# Altium PCB V1Copy of 2 Layers.PcbDoc (part 2 of 2)
Units mm, origin at the board's own origin, x right, y up, seen from the top; angles counter-clockwise.
Board outline 88.4 x 35.06 mm, 4 copper layers (Top Layer 1, Signal 1, Signal 2, Bottom Layer 1), stack 1.782 mm thick; 91 components, 63 nets, 397 pads, 122 vias.
Unrouted connection lines stored in the file: 17.
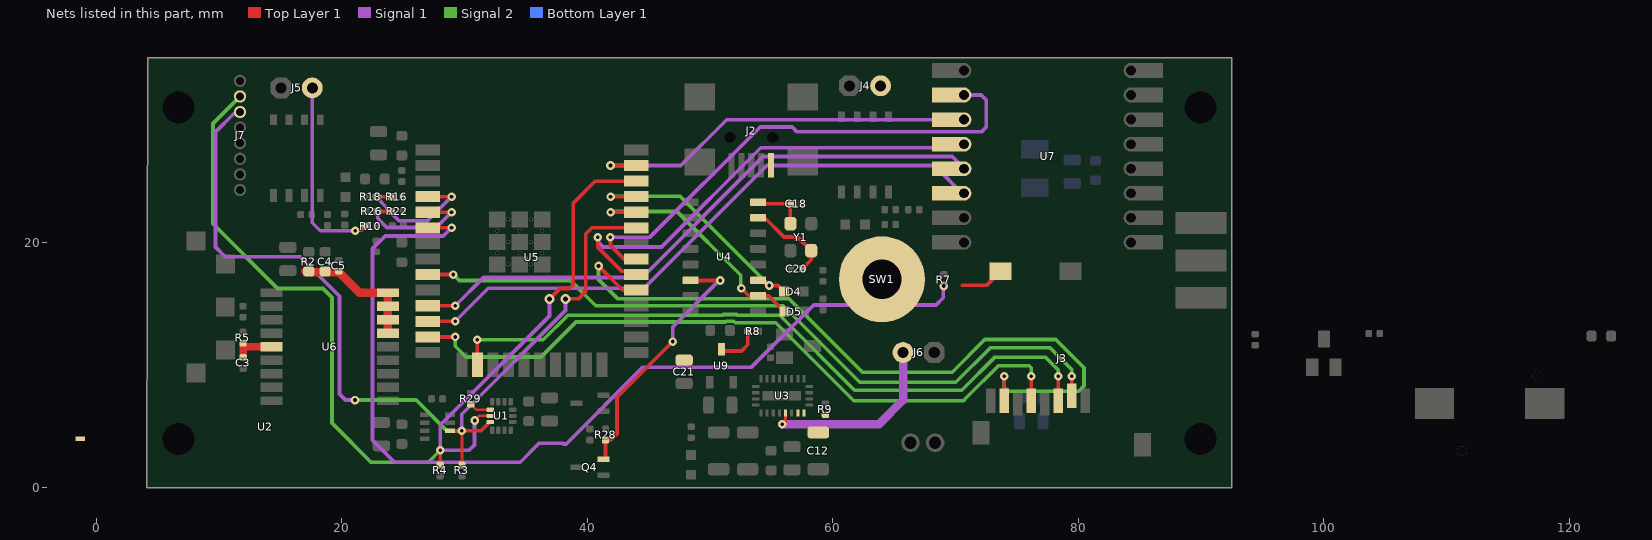
[diagram p4: the nets of this part, all layers, seen from the top]

## Via types
v1: diameter 0.7, hole 0.3, Top Layer 1 to Bottom Layer 1, tented both sides, 109 vias
v2: diameter 0.55, hole 0.3, Top Layer 1 to Bottom Layer 1, tented both sides, 5 vias
v3: diameter 0.7, hole 0.3, Top Layer 1 to Bottom Layer 1, 4 vias
v4: diameter 1.5, hole 1.5, Top Layer 1 to Bottom Layer 1, tented both sides, 2 vias
v5: diameter 0.8, hole 0.4, Top Layer 1 to Bottom Layer 1, tented both sides, 2 vias

## Nets (pads, with @x,y where several pads share a name; then routed paths per layer and width w, separated by ;. In a path a pad name is that pad's centre, name@x,y a point inside that pad or via, vN(x,y) a via of type N, cw(c..) or ccw(c..) an arc to the next point about the centre after c; other vN are vias at no path point) (continued)
NetR29_2: R29.2 U1.12 | length 1.8
  Top Layer 1 w0.2: R29.2@30.487,6.81 30.492,6.81 30.687,6.614 30.687,6.61 30.931,6.365 U1.12@32.09,6.365
RFM_CLK: U5.30 U7.4 U7.4_1 | length 38.8
  Top Layer 1 w0.3: v1(40.86,20.437) 40.86,19.592 42.785,17.667 43.703,17.667 U5.30@43.987,17.383
  Signal 1 w0.3: v1(40.86,20.437) 40.913,20.384 40.913,19.987 41.275,19.626 46.042,19.626 54.124,27.708 69.733,27.708 70,27.975 70.666,27.975 U7.4_1@70.7,28.009
RFM_MISO: U5.31 U7.2 U7.2_1 | length 42.1
  Top Layer 1 w0.3: v1@41.883,20.437 41.883,19.747 42.977,18.653 U5.31@43.987,18.653
  Signal 1 w0.3: v1(41.877,20.437) 45.114,20.437 54.085,29.408 56.692,29.408 57.091,29.009 72.109,29.009 72.5,29.4 72.5,31.6 72.091,32.009 U7.2_1@70.7,32.009
RFM_MOSI: U5.37 U7.3 U7.3_1 | length 32.5
  Top Layer 1 w0.3: v1@41.877,26.266 v1(41.883,26.273) U5.37@43.987,26.273
  Signal 1 w0.3: v1(41.883,26.273) 47.614,26.273 51.351,30.009 U7.3_1@70.7,30.009
RFM_NSS: U5.11 U7.5 U7.5_1 | length 49.2
  Top Layer 1 w0.3: U5.11@26.987,14.843 v1(29.23,14.843)
  Signal 1 w0.3: v1(29.23,14.843) 31.532,17.145 44.466,17.145 54.321,27 69.733,27 70.7,26.033 U7.5_1@70.7,26.009
RFM_RESET: U5.12 U7.6 U7.6_1 | length 49.8
  Top Layer 1 w0.3: U5.12@26.987,13.573 v1(29.23,13.573)
  Signal 1 w0.3: v1(29.23,13.573) 31.93,16.273 44.613,16.273 54.613,26.273 68.282,26.273 U7.6_1@70.577,23.977
RST: Q4.2 R28.1 U4.14 | length 21.3
  Top Layer 1 w0.3: Q4.2@41.31,2.337 41.405,2.337 41.48,2.412 R28.1@41.48,3.897 41.891,3.897 42.418,4.424 42.418,7.39 v1@46.951,11.924 ; U4.14@48.419,16.931 48.45,16.9 v1(50.828,16.9)
  Signal 1 w0.3: v1(46.951,11.924) 46.951,13.114 50.737,16.9 v1(50.828,16.9)
RX: D4.2 U4.3 U5.35 | length 20.2
  Top Layer 1 w0.3: v1(41.894,23.733) U5.35@43.987,23.733 ; U4.3@54.264,16.931 54.699,16.496 v1(54.824,16.496) 55.526,16.496 D4.2@56.02,16.002
  Signal 2 w0.3: v1(41.894,23.733) 41.923,23.762 47.558,23.762 v1(54.824,16.496)
SCL: J7.2 R4.1 U1.13 U2.4 U5.36 | length 82.8
  Top Layer 1 w0.2: v3@30.813,5.487 v3(30.813,5.491) 30.813,5.496 31.182,5.865 U1.13@32.09,5.865
  Top Layer 1 w0.3: R4.1@28,1.871 28.018,1.889 v1(28.018,3.064) ; v5(36.915,15.402) 37.769,16.256 38.517,16.256 38.862,16.601 38.862,23.222 40.619,24.979 43.964,24.979 U5.36@43.987,25.003
  Signal 1 w0.3: v3(30.813,5.491) 30.8,5.479 30.8,3.5 30.364,3.064 v1(28.018,3.064) 28.018,5.118 36.915,14.015 v5@36.915,15.359
  Signal 2 w0.3: J7.2@11.7,31.9 9.5,29.7 9.5,21.517 14.761,16.256 18.459,16.256 19.196,15.519 19.196,5.28 22.376,2.1 27.054,2.1 v1(28.018,3.064)
SD_CS: J3.2 U5.9 | length 60.2
  Top Layer 1 w0.3: U5.9@26.987,17.383 v3(29.083,17.383) ; J3.2@79.465,7.506 v1(79.465,9.102)
  Signal 2 w0.3: v3(29.083,17.383) 29.566,16.9 38.63,16.9 40.687,14.843 55.962,14.843 55.966,14.839 62.2,8.605 70.028,8.605 ; 70.028,8.607 72.83,11.408 77.715,11.408 79.465,9.658 v1(79.465,9.102)
SD_IN: J3.9 R7.2 U5.6 | length 82.2
  Top Layer 1 w0.3: U5.6@26.987,21.193 v1(28.937,21.193) ; v1(69.053,16.451) R7.2@69.103,16.5 ; 70.568,16.502 72.521,16.502 J3.9@73.675,17.656
  Signal 1 w0.3: v1(28.937,21.193) 28.269,20.524 23.524,20.524 22.5,19.5 22.5,3.877 24.277,2.1 34.523,2.1 36.073,3.65 37.971,3.65 38.036,3.585 38.285,3.585 44.543,9.843 53.382,9.843 58.447,14.908 68.415,14.908 69.007,15.5 69.007,16.404 v1(69.053,16.451)
SD_MISO: J3.7 U5.29 | length 60.9
  Top Layer 1 w0.3: v3(40.915,18.085) 42.887,16.113 U5.29@43.987,16.113 ; J3.7@73.965,7.106 v1(73.965,9.102)
  Signal 2 w0.3: v3(40.915,18.085) 40.915,16.985 42.498,15.402 56.452,15.402 62.422,9.433 69.728,9.433 ; 69.728,9.435 72.388,12.095 78.161,12.095 80.465,9.791 80.465,8.302 80.036,7.873 74.265,7.873 73.965,8.173 v1(73.965,9.102)
SD_MOSI: J3.3 U5.16 | length 56.7
  Top Layer 1 w0.3: U5.16@31.042,10.032 31.042,11.865 v1@31.115,11.938 ; J3.3@78.365,7.106 v1(78.365,9.102)
  Signal 2 w0.3: v1(31.042,12.065) 36.414,12.065 38.417,14.069 51.019,14.069 51.078,14.127 52.154,14.127 52.213,14.069 55.669,14.069 61.777,7.96 70.514,7.96 73.213,10.659 77.315,10.659 78.365,9.609 v1(78.365,9.102)
SD_SCK: J3.5 U5.13 | length 58.1
  Top Layer 1 w0.3: U5.13@26.987,12.303 v1(29.23,12.303) ; J3.5@76.165,7.106 v1(76.165,9.102)
  Signal 2 w0.3: v1(29.23,12.303) 29.23,11.537 30.099,10.668 36.23,10.668 39.078,13.516 51.245,13.516 51.305,13.577 51.927,13.577 52.044,13.46 55.354,13.46 61.71,7.104 70.649,7.104 70.651,7.106 70.924,7.379 73.503,9.958 75.989,9.958 76.165,9.782 v1(76.165,9.102)
SDA: J7.3 R3.1 U1.14 U2.3 U5.33 | length 74.6
  Top Layer 1 w0.25: v1(29.772,4.647) 29.772,3.282 29.783,3.271 R3.1@29.783,1.872
  Top Layer 1 w0.3: U2.3@28.8,4.665 28.819,4.647 v1(29.772,4.647) 31.324,4.647 31.968,5.29 32.015,5.29 U1.14@32.09,5.365 ; v5(38.227,15.402) 39.278,15.402 39.878,16.002 39.878,20.687 40.383,21.193 U5.33@43.987,21.193
  Signal 1 w0.3: J7.3@11.7,30.63 11.566,30.496 11.196,30.496 9.7,29 9.7,19.637 10.499,18.838 16.587,18.838 19.8,15.626 19.8,7.654 20.295,7.16 v1(21.069,7.16) ; v1(29.772,4.647) 29.772,6.007 38.227,14.462 v5(38.227,15.402)
  Signal 2 w0.3: v1(21.069,7.16) 26.052,7.16 28.565,4.647 v1@29.882,4.647
SENSE1: R22.1 R26.2 U5.5 | length 10.6
  Top Layer 1 w0.3: R26.2@22.865,22.524 v1(22.915,22.524) R22.1@24.066,22.524 ; U5.5@26.987,22.463 v1(28.937,22.463)
  Signal 1 w0.3: v1(22.915,22.524) 22.915,21.964 23.655,21.224 27.699,21.224 v1(28.937,22.463)
  Bottom Layer 1 w0.3: v1@28.906,22.493 v1(28.937,22.463)
SENSE2: R16.1 R18.2 U5.4 | length 11
  Top Layer 1 w0.3: R18.2@22.809,23.716 v1(22.859,23.716) R16.1@24.03,23.716 ; U5.4@26.987,23.733 v1(28.937,23.733)
  Signal 1 w0.3: v1(22.859,23.716) 22.859,23.641 23.665,22.835 23.665,22.765 24.656,21.774 26.979,21.774 v1(28.937,23.733)
  Bottom Layer 1 w0.3: v1@28.929,23.724 v1(28.937,23.733)
TX: D5.2 U4.2 U5.34 | length 20.2
  Top Layer 1 w0.3: v1(41.894,22.463) U5.34@43.987,22.463 ; v1(52.556,16.269) 52.556,16.263 53.158,15.661 U4.2@53.919,15.661 54.754,15.661 D5.2@56.049,14.367
  Signal 2 w0.3: v1(41.894,22.463) 41.951,22.52 47.305,22.52 52.495,17.33 52.495,16.33 v1(52.556,16.269)
VBat: C12.2 J4.2 J5.2 J6.2 R9.2 R10.2 SW1.1 U3.17 U3.19 U3.20 | length 31.4
  Top Layer 1 w0.25: v1(55.871,5.195) 55.958,5.281 56.135,5.281 56.149,5.295 U3.17@56.149,6.104
  Top Layer 1 w0.3: v1(21.1,20.96) 21.124,20.984 21.55,20.984 21.752,21.186 21.777,21.186 21.902,21.311 R10.2@21.902,21.336
  Signal 1 w0.3: J5.2@17.587,32.596 17.587,21.6 18.227,20.96 v1(21.1,20.96)
  Signal 1 w0.7: v1(55.871,5.195) 63.768,5.195 65.727,7.154 J6.2@65.727,11.035
VCC_GPS: C4.2 C5.2 R2.2 U6.6 U6.7 U6.8 U6.9 | length 10.7
  Top Layer 1 w0.7: R2.2@17.029,17.641 17.094,17.576 19.756,17.576 21.432,15.9 U6.9@23.75,15.9 U6.8@23.75,14.8 U6.7@23.75,13.7 U6.6@23.75,12.6
VCC_RF: C3.2 R5.1 U6.14 | length 3.2
  Top Layer 1 w0.6: R5.1@11.94,11.8 11.954,11.786 C3.2@11.954,10.632 ; 12.24,11.5 U6.14@14.25,11.5
VUSB: C21.2 J2.1 R8.2 U9.3 | length 3.5
  Top Layer 1 w0.3: U9.3@50.928,11.308 51.083,11.154 52.559,11.154 53.074,11.669 R8.2@53.074,12.766
X1: C20.2 U4.7 Y1.3 | length 7.2
  Top Layer 1 w0.3: U4.7@53.919,22.011 54.456,22.011 56.02,20.447 57.132,20.447 Y1.3@58.243,19.336 58.243,18.589 C20.2@57.522,17.868
X2: C18.2 U4.8 Y1.1 | length 4.3
  Top Layer 1 w0.3: U4.8@53.919,23.281 54.043,23.157 C18.2@56.574,23.157 56.543,23.126 Y1.1@56.543,21.536
pads on no net: J2.4 J2.MH J3.1 J3.8 LS. U1.2 U1.3 U1.4 U1.9 U1.10 U1.11 U3.4 U3.5 U3.6 U3.7 U3.8 U3.9 U4.9 U4.10 U4.11 U4.12 U4.15 U5.14 U5.17 U5.18 U5.19 U5.20 U5.21 U5.22 U5.32 U6.4 U6.5 U6.13 U6.15 U6.16 U6.17 U6.18 U7.11 U7.11_1 U7.12 U7.12_1 U7.16 U7.16_1
copper on no net: | length 24
  Top Layer 1 w0.3: v1@11.7,22.327 11.7,21.827 13.027,20.5 18.674,20.5 19.937,19.237 v1@21.114,19.237
  Signal 1 w0.3: v1(11.7,22.403) 13.082,22.403 13.749,23.07 13.749,28.451 12.84,29.36 11.7,29.36
  Signal 2 w0.3: v1(20.95,19.187) 21.03,19.187 22.117,18.1 v1(23.4,18.1)
  other v4: 5.595,9.887 5.595,19.587

## Polygon pours and split planes (outlines as drawn)
GND on Top Layer 1 "full" (solid, remove dead copper, shelved, pour order 27): 4.2,0 4.2,35.062 92.5,35.062 92.5,0
3.3V on Top Layer 1 "full" (solid, remove dead copper, shelved, pour order 17): 24.4,6.024 29.65,6.024 29.65,5.074 31.5,5.074 31.5,4.519 24.4,4.519
VBat on Top Layer 1 "full" (solid, remove dead copper, shelved, pour order 4): 60.317,6.511 56.049,6.511 56.049,3.879 62.675,3.879 62.675,9.984 62.627,10.011 65.1,10.011 65.126,12.766 67.7,12.766 67.7,20.509 61.2,20.509 60.317,19.626
GND on Top Layer 1 "NONET_L01_P026" (solid, remove dead copper, shelved, pour order 26): 4.027,21.437 4.051,21.451 13.629,21.451 13.629,6.91 3.994,6.907 3.994,21.404
3.3V on Top Layer 1 "full" (solid, remove dead copper, shelved, pour order 0): 51.181,9.271 52.616,9.271 52.616,7.935 54.149,7.935 54.149,6.542 55.754,6.542 55.754,2.425 54.138,2.425 54.138,3.672 54.149,3.683 49.657,3.683 49.657,5.407 50.928,5.407 50.928,9.018
GND on Top Layer 1 "full" (solid, remove dead copper, shelved, pour order 19): 17.3,24.6 13.7,24.6 13.7,20.687 17.3,20.687 17.3,22.672
GND on Top Layer 1 "full" (solid, remove dead copper, shelved, pour order 7): 63.1,2.3 66.684,2.3 66.684,5.407 68.7,5.407 68.7,0 63.167,0 48,0 48,2.3 60.4,2.3 60.362,2.425 60.487,2.3
VUSB on Top Layer 1 "full" (solid, remove dead copper, shelved, pour order 1): 47.279,13.909 48.68,12.508 48.797,12.508 51.533,12.508 51.959,12.082 51.959,10.287 45.635,10.287 45.635,30.587 56.446,30.587 56.446,25.527 54.733,25.527 53.724,26.536 53.724,29.4 47.279,29.4
no net on Top Layer 1 "NONET_L01_P010" (solid, remove dead copper, shelved, pour order 10): 56.286,27.608 56.3,27.622 56.3,30.7 47.9,30.7
NetJ4_1 on Top Layer 1 "full" (solid, remove dead copper, shelved, pour order 11): 60,34.2 60,25.4 65.277,25.4 65.377,25.3 65.377,30.96 62.524,30.96 62.524,34.166 60.097,34.166
3.3V on Top Layer 1 "full" (solid, remove dead copper, shelved, pour order 12): 86.9,28.7 76,28.7 76,26.219 76.038,26.181 76.123,26.266 82.866,26.266 83.8,27.2 86.9,27.2
GND on Top Layer 1 "full" (solid, remove dead copper, shelved, pour order 20): 63.839,25.3 63.839,23.042 64.536,23.042 64.536,20.863 57.132,20.863 57.132,23.732 56.604,23.733 56.574,23.762 56.574,30.96 43.737,30.96 43.7,30.997 43.7,34.8 59.5,34.8 59.518,34.782 59.518,25.3
NetJ5_1 on Top Layer 1 "full" (solid, remove dead copper, shelved, pour order 21): 13.7,34.1 13.679,34.079 13.679,25.169 18.549,25.169 18.639,25.259 18.639,30.5 16.165,30.5 16.165,33.996 13.799,33.996
3.3V on Top Layer 1 "full" (solid, remove dead copper, shelved, pour order 15): 27.953,26.689 27.942,26.7 25.5,26.7 25.5,27.721 21.965,27.721 21.965,29.265 22,29.3 18.979,29.3 18.979,25.963 19.116,25.825 27.953,25.825
GND on Top Layer 1 "full" (solid, remove dead copper, shelved, pour order 18): 19.687,25.75 19.737,25.7 22.4,25.7 22.4,22.1 20.825,22.1 20.825,24.4 19.7,24.4 19.7,25.687 19.687,25.7
GND on Top Layer 1 "full" (solid, remove dead copper, shelved, pour order 16): 56.4,9.479 56.446,9.525 58.556,9.525 58.556,8.048 56.249,8.048 56.249,10.924
GND on Top Layer 1 "full" (solid, remove dead copper, shelved, pour order 9): 38.569,7.644 38.569,5.487 42.134,5.487 42.151,5.504 42.091,5.565 42.091,7.644
3.3V on Top Layer 1 "full" (solid, remove dead copper, shelved, pour order 8): 38.517,5.08 42.235,5.08 42.234,2.566 38.517,2.566 38.517,5.048 38.569,5.101
GND on Top Layer 1 "full" (solid, remove dead copper, shelved, pour order 6): 46.991,9.609 50.495,9.609 50.495,5.751 46.991,5.751
NetJ6_1 on Top Layer 1 "FULL" (solid, remove dead copper, shelved, pour order 2): 66.377,2.881 63.975,2.881 63.975,9.7 65.532,9.7 65.532,12.383 68.132,12.382 68.132,8.116 66.377,8.116
GND on Signal 2 "full" (solid, remove dead copper, shelved, pour order 29): 4.2,35.062 4.2,0 92.5,0 92.5,35.062
3.3V on Signal 2 "full" (solid, remove dead copper, shelved, pour order 14): 18.4,29.3 13.829,29.3 13.829,33.871 13.704,33.996 11.027,33.996 11.027,32.596 12.5,32.596 12.5,28.2 18.4,28.2 18.4,20.5 16.451,20.5 16.451,18 18.4,18 18.4,0.4 84.6,0.4 84.8,0.2 84.8,28.6 75.945,28.6 75.945,26.181 82.301,26.181 82.386,26.266 82.4,26.252 82.4,2.8 76.3,2.8 76.3,6.05 75,6.05 75,2.6 65.03,2.6 65.03,5.207 55.506,5.207 55.506,6.542 52.769,6.542 52.728,6.584 52.728,8.904 50.928,8.904 50.928,5.407 38.517,5.407 37.874,6.05 20.7,6.05 20.7,26.793 22,26.793 22,29.3
VBat on Signal 2 "full" (solid, remove dead copper, shelved, pour order 5): 63.189,19.456 66.413,19.456 66.413,14.444 66.457,14.4 63.189,14.4 63.189,9.7 63.1,9.7 63.168,9.633 65.532,9.633 65.532,12.383 65.619,12.295 69.053,12.295 69.053,34.97 68.961,35.062 63.627,35.062 63.627,31.427 63.5,31.3 45.3,31.3 45.3,28.2 25.5,28.2 25.5,35 16.4,35 16.4,31.249 16.451,31.3 22.4,31.3 22.4,25.7 22.5,25.8 63.189,25.8
GND on Bottom Layer 1 "full" (solid, remove dead copper, shelved, pour order 22): 4.2,35.062 4.2,0 92.5,0 92.5,35.062
NetJ6_1 on Bottom Layer 1 "full" (solid, remove dead copper, shelved, pour order 3): 60,20.688 68.961,20.688 68.961,9.525 69.053,9.433 65.532,9.433 65.532,12.446 65.278,12.7 60,12.7
GND on Signal 1 "full" (solid, remove dead copper, shelved, pour order 28): 4.2,35.062 4.2,0 92.5,0 92.5,35.062

## Keep-outs
Keep-Out Layer:
  text "'.Layer_Name'" at 300.5,-183.388 h1.5

## Other copper
Top Layer 1:
  text "'.ProjectRevisionART'" at 335.678,-183.21 h1.5
  text "'.Layer_Name'" at 300.5,-183.388 h1.5
Bottom Layer 1:
  text "04-'.ProjectPCBNumber'-R'.ProjectRevisionART'" at 242,-133.138 h1.2
  text ".ProjectRevisionART" at 335.678,-183.21 h1.5
  text ".ProjectRevisionART" at 335.678,-183.21 h1.5
  text "'.ProjectRevisionART'" at 335.678,-183.21 h1.5
  text "'.Layer_Name'" at 300.5,-183.388 h1.5

## Silkscreen, mask and mechanical layers (free items; w line width, h text height)
Top Overlay:
  region: 289.8,-146.738 289.8,-144.738 291.8,-145.738
  lines w0.254: 5.589,27.632 8.702,27.632 11.633,30.563 ; 5.656,23.889 8.767,23.889 11.698,26.82 ; 5.656,25.159 8.767,25.159 11.698,28.09 ; 5.656,26.429 8.767,26.429 11.698,29.36 ; 5.692,22.493 9.779,22.493 11.566,24.28 11.698,24.28 ; 5.7,32.9 5.709,32.909 9.338,32.909 10.346,31.9 11.7,31.9 ; 5.709,34.048 9.476,34.048 10.354,33.17 11.7,33.17
  text "3.3V" at 5.692,34.208 h1
  text "SCL" at 5.656,33.108 h1
  text "SDA" at 5.589,27.812 h1
  text "Piezo" at 5.595,26.631 h1
  text "GPS TX" at 5.589,25.328 h1
  text "Fire1" at 5.589,24.094 h1
  text "GND" at 5.589,22.806 h1
  text "C" at 259.5,-136.935 h8
  text "'.ProjectPartNumber'" at 231.5,-137.638 h1.2
  text "" at 252.5,-138.238 h8
  text "5" at 278.5,-138.832 h8
  text "7" at 288.5,-138.832 h8
  text "0" at 298.5,-138.832 h8
  text "1" at 308.5,-138.832 h8
  text "6" at 268.5,-138.865 h8
  text "2" at 318.5,-138.865 h8
  text "3" at 328.5,-138.865 h8
  text "4" at 338.58,-138.865 h8
  text "ICD" at 284.4,-146.638 h1.52
  text "M" at 262,-153.138 h10
  text "" at 315,-153.597 h10
  text "" at 294,-153.622 h10
  text "" at 305,-153.622 h10
  text "" at 324,-153.622 h10
  text "" at 335,-153.622 h10
  text "" at 346,-153.797 h10
  text "*h" at 227.7,-154.638 h7
  text "" at 286,-156.638 h10
  text "dsPICDEM.net™" at 185.75,-163.388 h3
  text "mTouch®" at 208,-163.388 h3
  text "chipKIT™" at 222.25,-163.388 h3
  text "dsPICDEM™" at 185.5,-169.138 h3
  text "MPLAB®" at 208,-169.638 h3
  text "dsPIC®" at 222.25,-169.638 h3
  text "PICDEM.net™" at 185.5,-175.388 h3
  text "PICkit™" at 208.25,-175.638 h3
  text "PIC®" at 222.25,-175.638 h3
  text "PICDEM™" at 185.5,-181.888 h3
  text "PICtail™" at 208.25,-181.888 h3
  text "'.ProjectRevisionART'" at 335.678,-183.21 h1.5
  text "'.Layer_Name'" at 300.5,-183.388 h1.5
Bottom Overlay:
  text "'.ProjectRevisionART'" at 335.678,-183.21 h1.5
  text "'.Layer_Name'" at 300.5,-183.388 h1.5
Top Paste:
  text "'.ProjectRevisionART'" at 335.678,-183.21 h1.5
  text "'.Layer_Name'" at 300.5,-183.388 h1.5
Bottom Paste:
  text "'.ProjectRevisionART'" at 335.678,-183.21 h1.5
  text "'.Layer_Name'" at 300.5,-183.388 h1.5
Top Solder:
  text "'.ProjectRevisionART'" at 335.678,-183.21 h1.5
  text "'.Layer_Name'" at 300.5,-183.388 h1.5
Bottom Solder:
  text "'.ProjectRevisionART'" at 335.678,-183.21 h1.5
  text "'.Layer_Name'" at 300.5,-183.388 h1.5
NOTES (M1):
  text "ASSEMBLY NOTES:" at 29.4,-133.738 h4
  text "1. ALL COMPONENTS SHALL BE RoHS COMPLIANT." at -4.7,-138.838 h3
  text "2. ALL UNUSED THROUGH HOLE COMPONENT LOCATIONS SHALL BE FREE OF SOLDER." at -4.7,-141.838 h3
  text "3. ALL COMPONENTS SHALL BE MOUNTED FLUSH TO THE BOARD, EXCEPT AS NOTED." at -4.7,-144.838 h3
  text "4. FINISHED BOARD SHALL BE FREE OF ALL RESIDUES." at -4.7,-147.838 h3
  text "5. ALL LEADS SHALL BE TRIMMED TO A MAXIMUM HEIGHT OF 2mm" at -4.7,-150.838 h3
  text "'.Layer_Name'" at 318.5,-183.388 h1.5
BOARD (M2):
  the board outline again, w0.1
  text "'.ProjectRevisionART'" at 335.678,-183.21 h1.5
  text "'.Layer_Name'" at 300.5,-183.388 h1.5
REF POINTS (M3):
  text "'.Layer_Name'" at 300.5,-183.388 h1.5
FAB (M4):
  drawing of 392 lines, arcs and shapes, not listed
  text "THIS PCB TO BE MANUFACTURED TO MEET ALL ACCEPTANCE LEVELS" at 236.989,27.024 h1.78
  text "OF A CLASS 2 PCB PER ANSI/IPC-A-600G." at 236.989,23.214 h1.78
  text "MATERIAL:" at 236.989,18.594 h1.78
  text "FR-4 or Equivalent" at 257.309,18.594 h1.78
  text "CONTROLLED IMPEDANCE" at 313.5,14.362 h1.78
  text "MULTILAYER" at 263.024,14.244 h1.78
  text "2" at 286.519,14.244 h1.78
  text "LAYERS" at 290.964,14.244 h1.78
  text "Cu WEIGHT EXTERNAL LAYERS" at 257.309,9.394 h1.78
  text "35um" at 309.379,9.394 h1.78
  text "FINISHED" at 318.904,9.394 h1.78
  text "Cu WEIGHT INTERNAL LAYERS" at 257.309,4.544 h1.78
  text "N/A" at 309.379,4.544 h1.78
  text "FINISHED" at 318.904,4.544 h1.78
  text "FINISHED OVERALL THICKNESS" at 257.309,-0.306 h1.78
  text "1.6" at 310.649,-0.306 h1.78
  text "mm" at 318.904,-0.306 h1.78
  text "10" at 333.509,-0.306 h1.78
  text "%" at 341.764,-0.306 h1.78
  text "COPPER THIEVING ALLOWED" at 257.5,-5.138 h1.78
  text "YES" at 314.5,-5.138 h1.78
  text "NO" at 331.5,-5.138 h1.78
  text "X" at 326.091,-5.638 h2.6
  text "FINISH:" at 237,-9.638 h1.78
  text "LEAD-FREE HOT AIR LEVELING" at 263,-9.938 h1.78
  text "X" at 258.4,-10.638 h2.6
  text "IMMERSION GOLD" at 263.024,-15.476 h1.78
  text "IMMERSION TIN" at 263.024,-20.976 h1.78
  text "SMOBC WITH SELECTIVE GOLD PLATING ON LANDS" at 263.024,-24.681 h1.78
  text "INDICATED. 1um GOLD OVER 5-10 um NICKEL" at 263.024,-28.491 h1.78
  text "SOLDERMASK" at 257.309,-33.826 h1.78
  text "DYNACHEM EPIC 200 LPI OR EQUIVALENT" at 278.899,-33.826 h1.78
  text "SOLDERMASK COLOR" at 257.309,-40.176 h1.78
  text "GREEN HIGH GLOSS" at 289.059,-40.176 h1.78
  text "SILKSCREEN COLOR" at 257.309,-46.526 h1.78
  text "WHITE" at 289.059,-46.526 h1.78
  text "Blind / Burried Vias" at 263.5,-52.638 h1.78
  text "DRILLING:" at 237.5,-52.888 h1.78
  text "Via Layer Pairs" at 258,-57.388 h1.78
  text "Top-Bottom" at 278.75,-57.388 h1.78
  text "ALL HOLES TO BE LOCATED BY THE COORDINATES FROM THE NC DRILL DATA PROVIDED." at 236.989,-62.638 h1.78
  text "05-'.ProjectPCBNumber'" at 269,-69.138 h1.78
  text "PCB REV" at 305,-69.138 h1.78
  text "USE ARTWORK SET NO." at 236.989,-69.226 h1.78
  text "'.ProjectRevisionART'" at 318.15,-69.388 h1.78
  text "ALL UL LOGO, MANUFACTURER'S ID, AND DATE CODES SHALL BE PLACED" at 236.989,-75.576 h1.78
  text "Layer" at 224.029,-78.613 h1.52
  text "Name" at 234.441,-78.613 h1.52
  text "Material" at 258.056,-78.613 h1.52
  text "Thickness" at 279.894,-78.613 h1.52
  text "Constant" at 296.4,-78.613 h1.52
  text "Gerber" at 310.875,-78.613 h1.52
  text "Board Layer Stack" at 322.81,-78.613 h1.52
  text "ON THE BOTTOM SIDE UNLESS OTHERWISE INDICATED." at 236.989,-79.386 h1.78
  text "Top Overlay" at 234.441,-81.661 h1.52
  text "GTO" at 310.875,-81.661 h1.52
  text "ANY ALTERNATIVES TO THE ABOVE SPECIFICATIONS MUST FIRST BE APPROVED." at 236.5,-84.638 h1.78
  text "Top Solder" at 234.441,-84.709 h1.52
  text "Solder Resist" at 258.056,-84.709 h1.52
  text "0,010mm" at 279.894,-84.709 h1.52
  text "3.5" at 296.4,-84.709 h1.52
  text "GTS" at 310.875,-84.709 h1.52
  text "1" at 224.029,-87.757 h1.52
  text "Top Layer 1" at 234.441,-87.757 h1.52
  text "CF-004" at 258.056,-87.757 h1.52
  text "0,035mm" at 279.894,-87.757 h1.52
  text "GTL" at 310.875,-87.757 h1.52
  text "Dielectric 1" at 234.441,-90.805 h1.52
  text "PP-006" at 258.056,-90.805 h1.52
  text "0,071mm" at 279.894,-90.805 h1.52
  text "4.1" at 296.4,-90.805 h1.52
  text "2" at 224.029,-93.853 h1.52
  text "Signal 1" at 234.441,-93.853 h1.52
  text "CF-004" at 258.056,-93.853 h1.52
  text "0,035mm" at 279.894,-93.853 h1.52
  text "G1" at 310.875,-93.853 h1.52
  text "Dielectric1" at 234.441,-96.901 h1.52
  text "FR-4" at 258.056,-96.901 h1.52
  text "1,500mm" at 279.894,-96.901 h1.52
  text "4.8" at 296.4,-96.901 h1.52
  text "3" at 224.029,-99.949 h1.52
  text "Signal 2" at 234.441,-99.949 h1.52
  text "CF-004" at 258.056,-99.949 h1.52
  text "0,035mm" at 279.894,-99.949 h1.52
  text "G2" at 310.875,-99.949 h1.52
  text "Dielectric 2" at 234.441,-102.997 h1.52
  text "PP-006" at 258.056,-102.997 h1.52
  text "0,071mm" at 279.894,-102.997 h1.52
  text "4.1" at 296.4,-102.997 h1.52
  text "4" at 224.029,-106.045 h1.52
  text "Bottom Layer 1" at 234.441,-106.045 h1.52
  text "CF-004" at 258.056,-106.045 h1.52
  text "0,035mm" at 279.894,-106.045 h1.52
  text "GBL" at 310.875,-106.045 h1.52
  text "Bottom Solder" at 234.441,-109.093 h1.52
  text "Solder Resist" at 258.056,-109.093 h1.52
  text "0,010mm" at 279.894,-109.093 h1.52
  text "3.5" at 296.4,-109.093 h1.52
  text "GBS" at 310.875,-109.093 h1.52
  text "Bottom Overlay" at 234.441,-112.141 h1.52
  text "GBO" at 310.875,-112.141 h1.52
  text "Total board thickness:" at 224.029,-115.189 h1.52
  text "1,802mm" at 279.894,-115.189 h1.52
  text "'.ProjectRevisionFAB'" at 335.678,-183.21 h1.5
  text "'.Layer_Name'" at 300.5,-183.388 h1.5
Case (M5):
  text "'.Layer_Name'" at 300.5,-183.388 h1.5
Cover (M6):
  text "'.Layer_Name'" at 300.5,-183.388 h1.5
Terminal Block (M7):
  text "'.Layer_Name'" at 300.5,-183.388 h1.5
Route Tool Path:
  text "'.Layer_Name'" at 300.5,-183.388 h1.5
V-Cut (M9):
  text "'.Layer_Name'" at 300.5,-183.388 h1.5
Bottom Assembly:
  text "'.VariantName'" at 50.07,-167.388 h0.9
  text "ASSEMBLY VARIANT:" at 64.32,-167.388 h0.9
  text "DOCUMENT NUMBER:" at 18.05,-175.638 h1.14
  text "02-'.ProjectPCBAssyNumber'-D" at 17.8,-178.638 h1.6
  text "'.ProjectRevisionASSY'" at 1.122,-183.21 h1.5
  text "'.Layer_Name'" at 36,-183.388 h1
Top Assembly:
  text "6. PLACE LABEL  ON THE LOCATION INDICATED." at -4.7,-153.838 h3
  text "7." at -4.7,-156.838 h3
  text "ASSEMBLY VARIANT:" at 272.5,-167.388 h0.9
  text "'.VariantName'" at 286.75,-167.388 h0.9
  text "DOCUMENT NUMBER:" at 318.75,-175.638 h1.15
  text "02-'.ProjectPCBAssyNumber'-D" at 319,-178.638 h1.6
  text "'.ProjectRevisionASSY'" at 335.678,-183.21 h1.5
  text "'.Layer_Name'" at 300.5,-183.388 h1
Bottom 3D Body:
  text "'.Layer_Name'" at 300.5,-183.388 h1.15
Top 3D Body:
  text "'.Layer_Name'" at 300.5,-183.388 h1.2
Bottom Courtyard:
  text ".ProjectRevisionART" at 335.678,-183.21 h1.5
  text "'.Layer_Name'" at 300.5,-183.388 h1
Top Courtyard:
  text "'.ProjectRevisionART'" at 335.678,-183.21 h1.5
  text "'.Layer_Name'" at 300.5,-183.388 h1.1
TITLE (M16):
  lines w0.1: 272,-166.138 353.82,-166.138 ; 324,-158.638 324,-161.638 353.82,-161.638 ; 342.54,-183.273 342.54,-182.003 ; 342.54,-182.638 352.7,-182.638 ; 342.7,-181.438 342.7,-180.438 ; 342.7,-180.938 352.7,-180.938 ; 345.08,-183.273 345.08,-182.003 ; 347.62,-183.273 347.62,-182.003 ; 347.7,-181.238 347.7,-180.638 ; 350.16,-183.273 350.16,-182.003 ; 352.7,-183.273 352.7,-182.003 ; 352.7,-181.438 352.7,-180.438 ; 353.82,-161.638 353.82,-161.638
  lines w0.127: -22.1,-128.813 -17.02,-128.813 ; -22.1,-68.488 -17.02,-68.488 ; -22.1,-8.163 -17.02,-8.163 ; 41.4,-189.138 41.4,-184.058 ; 41.4,47.082 41.4,52.162 ; 104.9,-189.138 104.9,-184.058 ; 104.9,47.082 104.9,52.162 ; 168.4,-189.138 168.4,-184.058 ; 168.4,47.082 168.4,52.162 ; 203.96,-184.058 239.52,-184.058 ; 231.9,-189.138 231.9,-184.058 ; 231.9,47.082 231.9,52.162 ; 272,-184.058 272,-158.638 ; 272,-179.638 353.82,-179.638 ; 272,-173.638 353.82,-173.638 ; 272,-167.638 353.82,-167.638 ; 295.4,-189.138 295.4,-184.058 ; 295.4,47.082 295.4,52.162 ; 300,-184.058 300,-167.638 ; 318,-179.638 318,-173.638 ; 331,-184.058 331,-179.638 ; 338.5,-184.058 338.5,-173.638 ; 353.82,-153.578 353.82,-184.058 ; 353.82,-128.813 358.9,-128.813 ; 353.82,-68.488 358.9,-68.488 ; 353.82,-8.163 358.9,-8.163 ; 353.82,-184.058 353.82,-158.638 238,-158.638 238,-184.058 353.82,-184.058 ; 353.82,-184.058 -17.02,-184.058 -17.02,47.082 353.82,47.082 353.82,-184.058 ; -22.1,-189.138 358.9,-189.138 358.9,52.162 -22.1,52.162 -22.1,-189.138
  lines w0.254: 243.32,38.082 243.32,42.582 243.32,47.082 ; 255.82,38.082 255.82,42.582 255.82,47.082 ; 334.32,38.082 334.32,42.582 334.32,47.082 ; 353.82,42.582 232.32,42.582 ; 232.32,42.582 232.32,47.082 353.82,47.082 353.82,38.082 232.32,38.082 232.32,42.582
  text "1" at 9.176,48.86 h1.78
  text "2" at 72.566,48.86 h1.78
  text "3" at 135.795,48.86 h1.78
  text "4" at 199.464,48.86 h1.78
  text "5" at 262.939,48.86 h1.78
  text "6" at 326.566,48.86 h1.78
  text "REV" at 234.82,44.082 h1.52
  text "ECO" at 244.82,44.082 h1.52
  text "Comments" at 291.32,43.582 h1.52
  text "Date" at 339.32,43.582 h1.52
  text "A" at -20.195,19.828 h1.78
  text "A" at 355.725,19.828 h1.78
  text "B" at -20.195,-40.624 h1.78
  text "B" at 355.725,-40.624 h1.78
  text "C" at -20.195,-100.949 h1.78
  text "C" at 355.725,-100.949 h1.78
  text "PART NUMBER:" at 325,-160.638 h1
  text "'.ProjectpartNumber'" at 337,-160.888 h1.5
  text "D" at -20.195,-161.147 h1.78
  text "TITLE:" at 273,-161.138 h1.14
  text "D" at 355.725,-161.147 h1.78
  text "'.ProjectTitle'" at 273,-165.138 h2.5
  text "PCB Layout Contact:" at 273,-169.638 h1.15
  text "GERBER FILE:" at 301,-169.638 h1.15
  text "'.ProjectDrawnBy'" at 273,-172.638 h1.6
  text "'.Plot_File_Name'" at 301,-172.638 h1.5
  text "M" at 241,-174.638 h15.24
  text "Project Owner:" at 273,-175.638 h1.15
  text "BOARD NUMBER:" at 301,-175.638 h1.15
  text "DATE:" at 339.7,-175.638 h1.14
  text "Microchip Technology Inc." at 239.77,-177.898 h1.78
  text "'.ProjectEngineer'" at 273,-178.638 h1.6
  text "04-'.ProjectPCBNumber'" at 301,-178.638 h1.6
  text "'.PRINT_DATE'" at 339.7,-178.638 h1.5
  text "2355 W. Chandler Blvd." at 241,-180.638 h1.78
  text "LAYER NAME:" at 301,-181.138 h1.14
  text "10mm" at 339,-181.238 h0.7
  text "PCB FILE NAME:" at 273,-181.388 h1.15
  text "REV:" at 331.75,-181.388 h1.14
  text "400mil" at 338.9,-182.938 h0.7
  text "Chandler, AZ  85224" at 242,-183.138 h1.78
  text "'.PCB_FILE_NAME_NO_PATH'" at 273,-183.388 h1
  text "1" at 9.176,-187.36 h1.78
  text "2" at 72.566,-187.36 h1.78
  text "3" at 135.795,-187.36 h1.78
  text "4" at 199.464,-187.36 h1.78
  text "5" at 262.939,-187.36 h1.78
  text "6" at 326.566,-187.36 h1.78
Drill Drawing:
  circle w0.25: c-5.348,-65.983 r0.833
  circle w0.25: c-5.348,-88.483 r0.5
  circle w0.25: c-5.348,-88.483 r0.833
  lines w0.25: -6.181,-108.067 -5.348,-107.65 -4.514,-108.067 -4.931,-107.233 -4.514,-106.4 -5.348,-106.817 -6.181,-106.4 -5.764,-107.233 -6.181,-108.067 ; -6.181,-104.317 -4.514,-104.317 -4.514,-102.65 -6.181,-102.65 -6.181,-104.317 ; -6.181,-100.15 -5.764,-100.15 -5.348,-100.567 -4.931,-100.15 -4.514,-100.15 -4.931,-99.733 -4.514,-99.317 -4.931,-99.317 -5.348,-98.9 -5.764,-99.317 -6.181,-99.317 -5.764,-99.733 -6.181,-100.15 ; -6.181,-96.817 -4.514,-96.817 -4.514,-95.15 -6.181,-95.15 -6.181,-96.817 ; -6.181,-93.067 -6.181,-92.65 -5.764,-92.233 -6.181,-91.817 -6.181,-91.4 -5.764,-91.4 -5.348,-91.817 -4.931,-91.4 -4.514,-91.4 -4.514,-91.817 -4.931,-92.233 -4.514,-92.65 -4.514,-93.067 -4.931,-93.067 -5.348,-92.65 -5.764,-93.067 -6.181,-93.067 ; -6.181,-83.9 -4.514,-83.9 -5.348,-85.567 -6.181,-83.9 ; -6.181,-80.983 -5.348,-81.817 -4.514,-80.983 -5.348,-80.15 -6.181,-80.983 ; -6.181,-76.4 -4.514,-76.4 -5.348,-78.067 -6.181,-76.4 ; -6.181,-73.9 -5.764,-73.9 -5.348,-74.317 -4.931,-73.9 -4.514,-73.9 -4.931,-73.483 -4.514,-73.067 -4.931,-73.067 -5.348,-72.65 -5.764,-73.067 -6.181,-73.067 -5.764,-73.483 -6.181,-73.9 ; -6.181,-70.15 -5.764,-70.15 -5.764,-70.567 -4.931,-70.567 -4.931,-70.15 -4.514,-70.15 -4.514,-69.317 -4.931,-69.317 -4.931,-68.9 -5.764,-68.9 -5.764,-69.317 -6.181,-69.317 -6.181,-70.15 ; -5.848,-96.483 -4.848,-96.483 -4.848,-95.483 -5.848,-95.483 -5.848,-96.483 ; -5.848,-84.233 -4.848,-84.233 -5.348,-85.233 -5.848,-84.233 ; -5.848,-73.733 -5.598,-73.733 -5.348,-73.983 -5.098,-73.733 -4.848,-73.733 -5.098,-73.483 -4.848,-73.233 -5.098,-73.233 -5.348,-72.983 -5.598,-73.233 -5.848,-73.233 -5.598,-73.483 -5.848,-73.733
  lines w0.3: -7.676,-109.192 202.616,-109.192 ; -7.676,-64.192 202.616,-64.192 ; 6.096,-112.942 6.096,-60.442 ; 23.541,-112.942 23.541,-60.442 ; 57.182,-112.942 57.182,-60.442 ; 69.828,-112.942 69.828,-60.442 ; 112.815,-112.942 112.815,-60.442 ; 127.562,-112.942 127.562,-60.442 ; 145.907,-112.942 145.907,-60.442 ; 167.551,-112.942 167.551,-60.442 ; -7.676,-112.942 202.616,-112.942 202.616,-60.442 -7.676,-60.442 -7.676,-112.942
  text "Symbol" at -5.426,-63.067 h1.8
  text "Hit Count" at 7.221,-63.067 h1.8
  text "Finished Hole Size" at 24.666,-63.067 h1.8
  text "Plated" at 58.307,-63.067 h1.8
  text "Drill Layer Pair" at 70.953,-63.067 h1.8
  text "Via/Pad" at 113.94,-63.067 h1.8
  text "Hole Type" at 128.687,-63.067 h1.8
  text "Hole Length" at 147.032,-63.067 h1.8
  text "Routed Path Length" at 168.676,-63.067 h1.8
  text "1" at 7.221,-66.817 h1.5
  text "3,200mm (125,98mil)" at 24.666,-66.817 h1.5
  text "NPTH" at 58.307,-66.817 h1.5
  text "Top Layer 1 - Bottom Layer 1" at 70.953,-66.817 h1.5
  text "Pad" at 113.94,-66.817 h1.5
  text "Round" at 128.687,-66.817 h1.5
  text "-" at 147.032,-66.817 h1.5
  text "-" at 168.676,-66.817 h1.5
  text "2" at 7.221,-70.567 h1.5
  text "0,400mm (15,75mil)" at 24.666,-70.567 h1.5
  text "PTH" at 58.307,-70.567 h1.5
  text "Top Layer 1 - Bottom Layer 1" at 70.953,-70.567 h1.5
  text "Via" at 113.94,-70.567 h1.5
  text "Round" at 128.687,-70.567 h1.5
  text "-" at 147.032,-70.567 h1.5
  text "-" at 168.676,-70.567 h1.5
  text "2" at 7.221,-74.317 h1.5
  text "0,800mm (31,50mil)" at 24.666,-74.317 h1.5
  text "NPTH" at 58.307,-74.317 h1.5
  text "Top Layer 1 - Bottom Layer 1" at 70.953,-74.317 h1.5
  text "Pad" at 113.94,-74.317 h1.5
  text "Round" at 128.687,-74.317 h1.5
  text "-" at 147.032,-74.317 h1.5
  text "-" at 168.676,-74.317 h1.5
  text "2" at 7.221,-78.067 h1.5
  text "0,900mm (35,43mil)" at 24.666,-78.067 h1.5
  text "NPTH" at 58.307,-78.067 h1.5
  text "Top Layer 1 - Bottom Layer 1" at 70.953,-78.067 h1.5
  text "Pad" at 113.94,-78.067 h1.5
  text "Round" at 128.687,-78.067 h1.5
  text "-" at 147.032,-78.067 h1.5
  text "-" at 168.676,-78.067 h1.5
  text "2" at 7.221,-81.817 h1.5
  text "1,000mm (39,37mil)" at 24.666,-81.817 h1.5
  text "PTH" at 58.307,-81.817 h1.5
  text "Top Layer 1 - Bottom Layer 1" at 70.953,-81.817 h1.5
  text "Pad" at 113.94,-81.817 h1.5
  text "Round" at 128.687,-81.817 h1.5
  text "-" at 147.032,-81.817 h1.5
  text "-" at 168.676,-81.817 h1.5
  text "2" at 7.221,-85.567 h1.5
  text "1,500mm (59,06mil)" at 24.666,-85.567 h1.5
  text "PTH" at 58.307,-85.567 h1.5
  text "Top Layer 1 - Bottom Layer 1" at 70.953,-85.567 h1.5
  text "Via" at 113.94,-85.567 h1.5
  text "Round" at 128.687,-85.567 h1.5
  text "-" at 147.032,-85.567 h1.5
  text "-" at 168.676,-85.567 h1.5
  text "4" at 7.221,-89.317 h1.5
  text "2,600mm (102,36mil)" at 24.666,-89.317 h1.5
  text "NPTH" at 58.307,-89.317 h1.5
  text "Top Layer 1 - Bottom Layer 1" at 70.953,-89.317 h1.5
  text "Pad" at 113.94,-89.317 h1.5
  text "Round" at 128.687,-89.317 h1.5
  text "-" at 147.032,-89.317 h1.5
  text "-" at 168.676,-89.317 h1.5
  text "6" at 7.221,-93.067 h1.5
  text "0,900mm (35,43mil)" at 24.666,-93.067 h1.5
  text "PTH" at 58.307,-93.067 h1.5
  text "Top Layer 1 - Bottom Layer 1" at 70.953,-93.067 h1.5
  text "Pad" at 113.94,-93.067 h1.5
  text "Round" at 128.687,-93.067 h1.5
  text "-" at 147.032,-93.067 h1.5
  text "-" at 168.676,-93.067 h1.5
  text "8" at 7.221,-96.817 h1.5
  text "0,650mm (25,59mil)" at 24.666,-96.817 h1.5
  text "PTH" at 58.307,-96.817 h1.5
  text "Top Layer 1 - Bottom Layer 1" at 70.953,-96.817 h1.5
  text "Pad" at 113.94,-96.817 h1.5
  text "Round" at 128.687,-96.817 h1.5
  text "-" at 147.032,-96.817 h1.5
  text "-" at 168.676,-96.817 h1.5
  text "12" at 7.221,-100.567 h1.5
  text "0,200mm (7,87mil)" at 24.666,-100.567 h1.5
  text "PTH" at 58.307,-100.567 h1.5
  text "Top Layer 1 - Bottom Layer 1" at 70.953,-100.567 h1.5
  text "Pad" at 113.94,-100.567 h1.5
  text "Round" at 128.687,-100.567 h1.5
  text "-" at 147.032,-100.567 h1.5
  text "-" at 168.676,-100.567 h1.5
  text "16" at 7.221,-104.317 h1.5
  text "0,800mm (31,50mil)" at 24.666,-104.317 h1.5
  text "PTH" at 58.307,-104.317 h1.5
  text "Top Layer 1 - Bottom Layer 1" at 70.953,-104.317 h1.5
  text "Pad" at 113.94,-104.317 h1.5
  text "Round" at 128.687,-104.317 h1.5
  text "-" at 147.032,-104.317 h1.5
  text "-" at 168.676,-104.317 h1.5
  text "118" at 7.221,-108.067 h1.5
  text "0,300mm (11,81mil)" at 24.666,-108.067 h1.5
  text "PTH" at 58.307,-108.067 h1.5
  text "Top Layer 1 - Bottom Layer 1" at 70.953,-108.067 h1.5
  text "Via" at 113.94,-108.067 h1.5
  text "Round" at 128.687,-108.067 h1.5
  text "-" at 147.032,-108.067 h1.5
  text "-" at 168.676,-108.067 h1.5
  text "175 Total" at 7.221,-111.817 h1.5
  text "DOCUMENT NUMBER:" at 318.75,-175.638 h1.15
  text "04-'.ProjectPCBNumber'-D" at 319,-178.638 h1.6
  text "'.ProjectRevisionFAB'" at 335.678,-183.21 h1.5
TITLE MIRROR (M17):
  lines w0.1: -15.9,-183.273 -15.9,-182.003 ; -15.9,-182.638 -5.74,-182.638 ; -15.9,-181.438 -15.9,-180.438 ; -15.9,-180.938 -5.9,-180.938 ; -13.36,-183.273 -13.36,-182.003 ; -10.9,-181.238 -10.9,-180.638 ; -10.82,-183.273 -10.82,-182.003 ; -8.28,-183.273 -8.28,-182.003 ; -5.9,-181.438 -5.9,-180.438 ; -5.74,-183.273 -5.74,-182.003
  lines w0.127: -22.1,-128.813 -17.02,-128.813 ; -22.1,-68.488 -17.02,-68.488 ; -22.1,-8.163 -17.02,-8.163 ; -17.02,-179.638 64.8,-179.638 ; -17.02,-173.638 64.8,-173.638 ; -17,-167.638 64.82,-167.638 ; -17,-166.138 64.82,-166.138 ; -17,-161.638 -16.383,-161.638 ; -1.7,-184.058 -1.7,-173.638 ; 5.8,-184.058 5.8,-179.638 ; 12.82,-158.638 12.82,-161.638 -16.383,-161.638 ; 18.8,-179.638 18.8,-173.638 ; 36.82,-184.058 36.82,-167.638 ; 41.4,-189.138 41.4,-184.058 ; 41.4,47.082 41.4,52.162 ; 64.82,-184.058 64.82,-158.638 ; 104.9,-189.138 104.9,-184.058 ; 104.9,47.082 104.9,52.162 ; 168.4,-189.138 168.4,-184.058 ; 168.4,47.082 168.4,52.162 ; 231.9,-189.138 231.9,-184.058 ; 231.9,47.082 231.9,52.162 ; 295.4,-189.138 295.4,-184.058 ; 295.4,47.082 295.4,52.162 ; 353.82,-128.813 358.9,-128.813 ; 353.82,-68.488 358.9,-68.488 ; 353.82,-8.163 358.9,-8.163 ; -17.02,-184.058 98.82,-184.058 98.82,-158.638 -17.02,-158.638 -17.02,-184.058 ; -17.02,-184.058 -17.02,47.082 353.82,47.082 353.82,-184.058 -17.02,-184.058 ; -16.383,-161.638 -16.383,-161.638 ; -22.1,-189.138 -22.1,52.162 358.9,52.162 358.9,-189.138 -22.1,-189.138
  text "5" at 55.407,58.748 h1.78 r90
  text "6" at 10.234,48.86 h1.78
  text "4" at 137.336,48.86 h1.78
  text "3" at 201.005,48.86 h1.78
  text "2" at 264.234,48.86 h1.78
  text "1" at 327.624,48.86 h1.78
  text "A" at -18.925,19.828 h1.78
  text "A" at 356.995,19.828 h1.78
  text "B" at -18.925,-40.624 h1.78
  text "B" at 356.995,-40.624 h1.78
  text "C" at -18.925,-100.949 h1.78
  text "C" at 356.995,-100.949 h1.78
  text "PART NUMBER:" at 11.82,-160.638 h1
  text "TITLE:" at 63.82,-160.638 h1.14
  text "'.ProjectpartNumber'" at -0.18,-160.888 h1.5
  text "D" at -18.925,-161.147 h1.78
  text "D" at 356.995,-161.147 h1.78
  text "'.ProjectTitle'" at 63.82,-165.138 h2.5
  text "GERBER FILE:" at 35.82,-169.638 h1.14
  text "PCB DESIGNER:" at 63.82,-169.638 h1.14
  text "'.Plot_File_Name'" at 35.82,-172.638 h1.5
  text "'.ProjectDrawnBy'" at 63.82,-172.638 h1.78
  text "M" at 95.82,-174.638 h15.24
  text "DATE:" at -2.9,-175.638 h1.14
  text "BOARD NUMBER:" at 35.8,-175.638 h1.14
  text "ENGINEER:" at 63.8,-175.638 h1.14
  text "Microchip Technology Inc." at 97.05,-177.898 h1.78
  text "'.PRINT_DATE'" at -2.9,-178.638 h1.5
  text "04-'.ProjectPCBNumber'" at 35.8,-178.638 h1.6
  text "'.ProjectEngineer'" at 63.8,-178.638 h1.78
  text "2355 W. Chandler Blvd." at 95.82,-180.638 h1.78
  text "LAYER NAME:" at 35.8,-181.138 h1.14
  text "10mm" at -2.2,-181.238 h0.7
  text "REV:" at 5.05,-181.388 h1.14
  text "PCB FILE NAME:" at 63.8,-181.388 h1.14
  text "400mil" at -2.1,-182.938 h0.7
  text "Chandler, AZ  85224" at 94.82,-183.138 h1.78
  text "'.PCB_FILE_NAME_NO_PATH'" at 63.8,-183.388 h1.14
  text "6" at 10.234,-187.36 h1.78
  text "5" at 73.861,-187.36 h1.78
  text "4" at 137.336,-187.36 h1.78
  text "3" at 201.005,-187.36 h1.78
  text "2" at 264.234,-187.36 h1.78
  text "1" at 327.624,-187.36 h1.78

## Dimensions
92.5,0 to 92.5,35.062 on FAB (M4)
4.101,0 to 92.5,35.062 on FAB (M4)

## Text inside footprints (layer, text, board x,y; h text height)
C12: Top Courtyard "C" at 59.12,2.821 h0.6 r90
C14: Top Courtyard "C" at 50.992,2.821 h0.6 r90
C15: Top Courtyard "C" at 53.363,2.821 h0.6 r90
J2: Top Assembly "1" at 55.134,27.305 h1 r180
J7: Top Assembly "1" at 11.113,33.376 h1 r270
LS: Top Overlay "+" at 108.215,8.402 h1.27; Top Overlay "-" at 118.223,8.403 h1.27
Q1: Top Assembly "1" at 60.563,24.473 h1
Q3: Top Assembly "1" at 14.265,24.208 h1
U3: Top Assembly "1" at 57.724,8.879 h0.5 r180
U5: Top 3D Body "ANTENNA" at 29.487,31.283 h1.78